# Altium PCB RMS_to_DC_1.PCBDOC
Units mm, origin at the board's own origin, x right, y up, seen from the top; angles counter-clockwise.
Board outline 35 x 20 mm, 4 copper layers (Top Layer, Layer 1, Layer 2, Bottom Layer), stack 1.6 mm thick; 29 components, 14 nets, 71 pads, 110 vias.
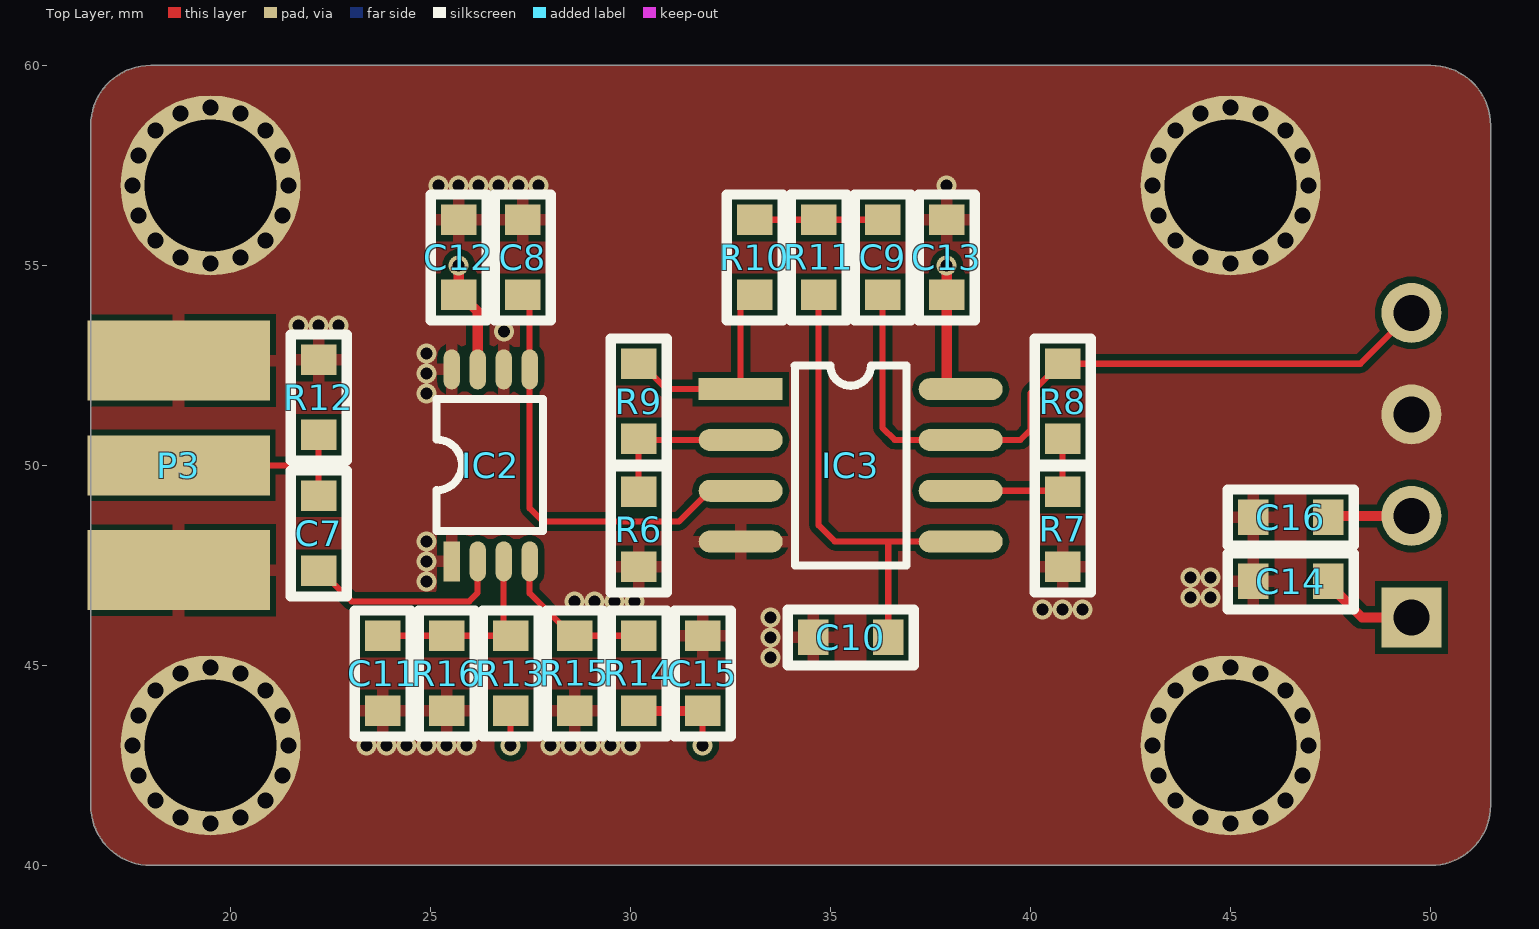
[diagram p0: Top Layer view]
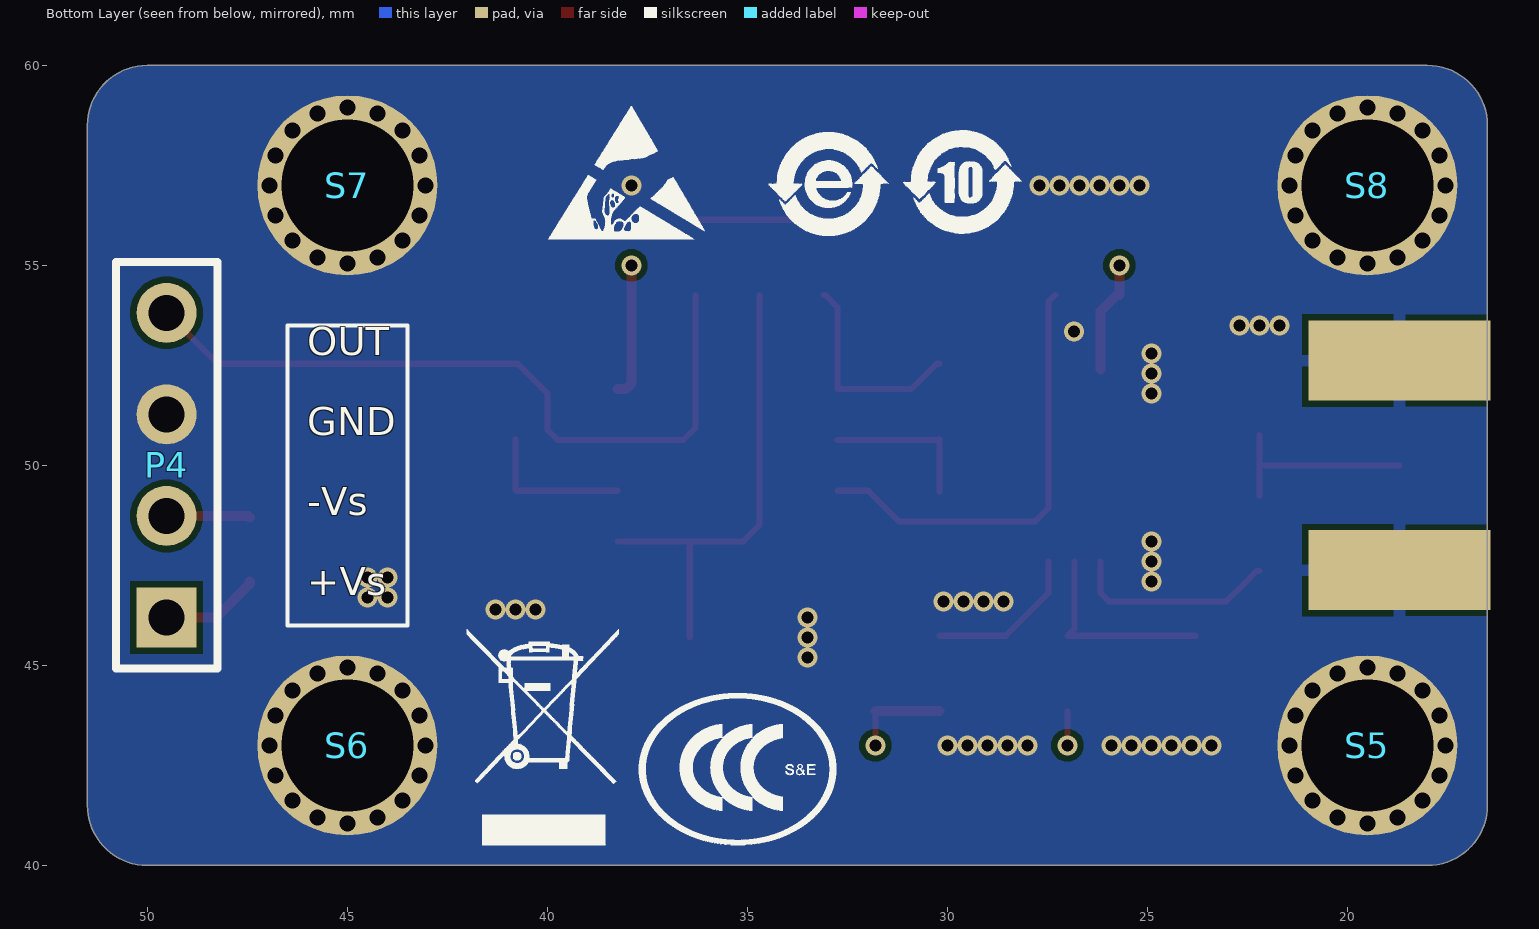
[diagram p1: Bottom Layer view, seen from below]
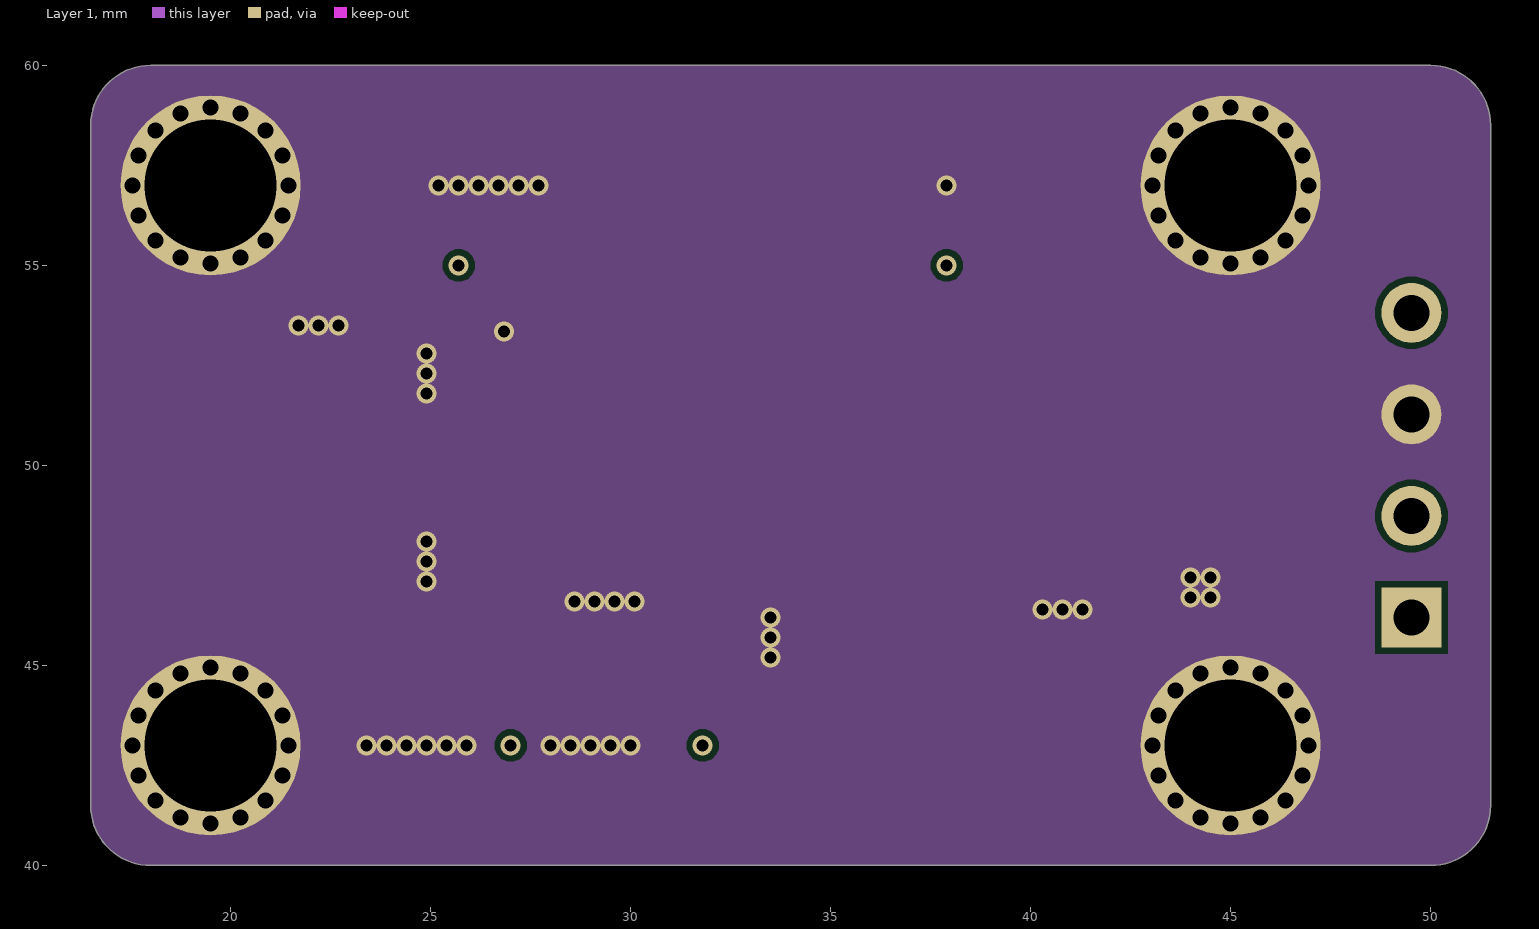
[diagram p2: Layer 1]
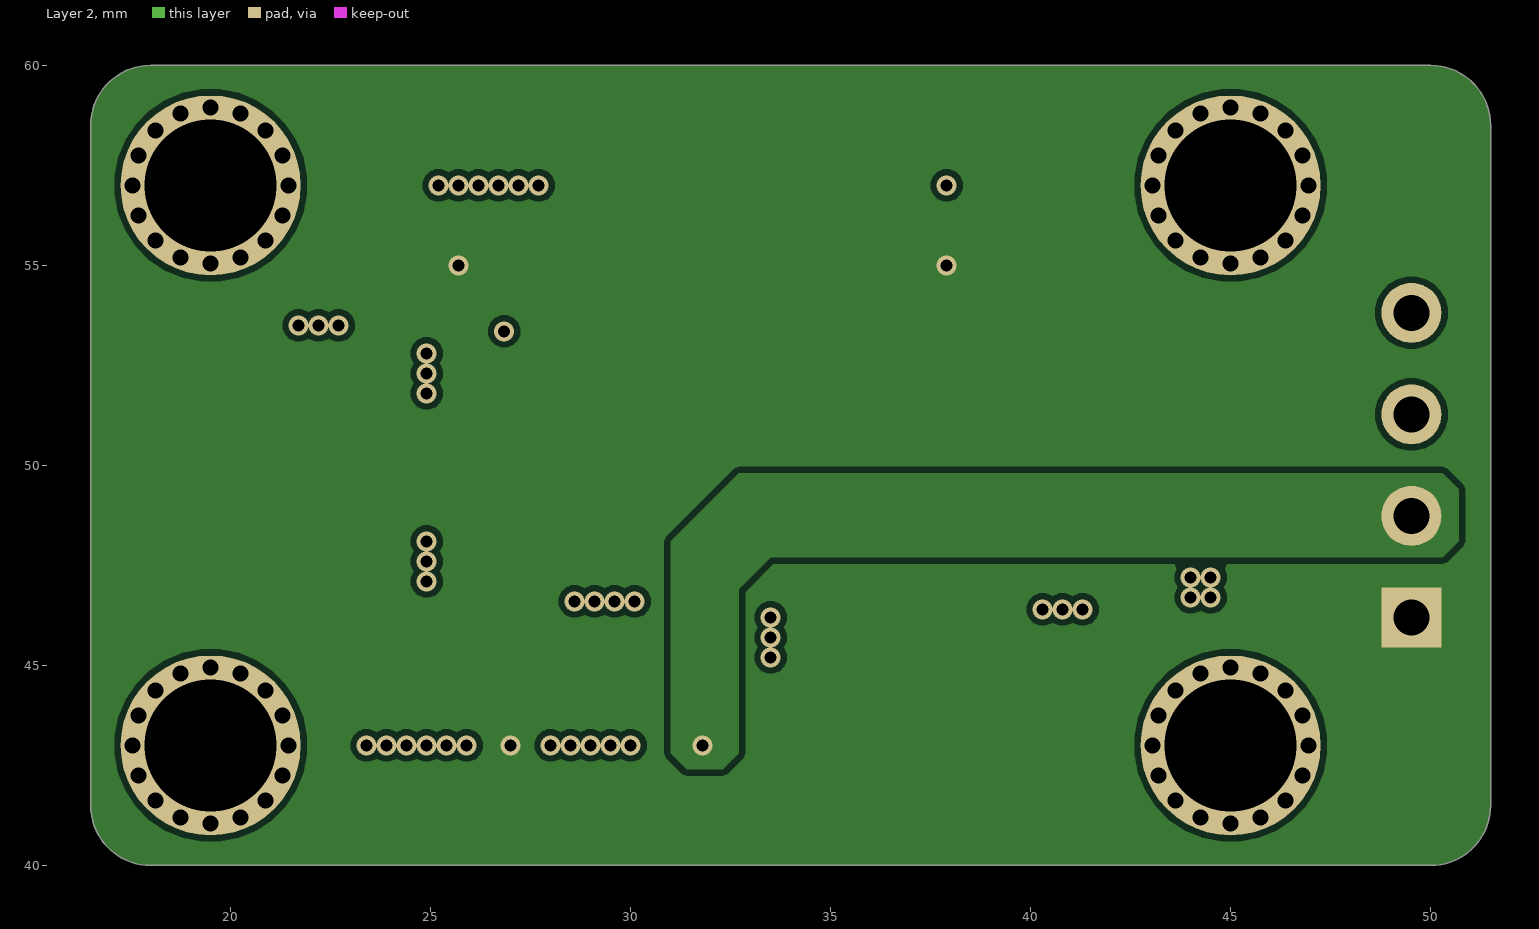
[diagram p3: Layer 2]
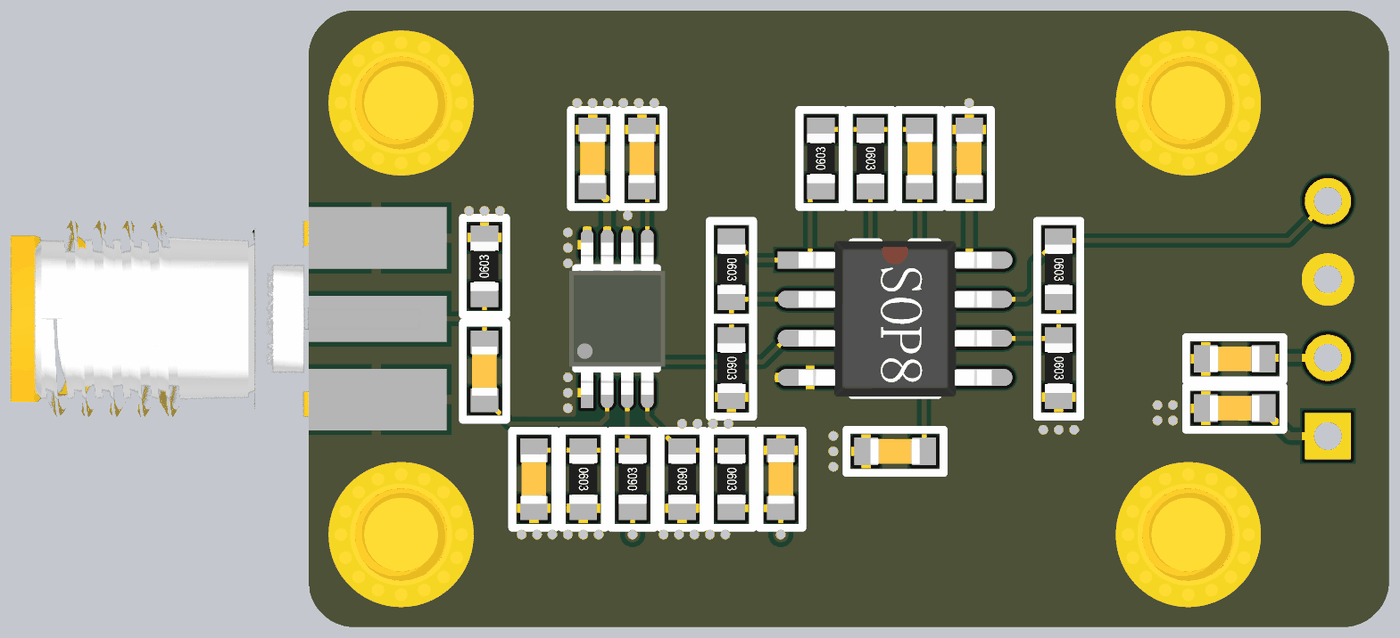
[diagram p4: 3D render of the assembled board from above, using the file's embedded part models]

## Layer stack, top to bottom
Top Solder: solder mask 0.01, Solder Resist, Dk 3.5
Top Layer: signal copper 0.035
Dielectric 1: prepreg 0.165, PP-017, Dk 4.3
Layer 1: signal copper 0.017
Dielectric2: dielectric 1.166, FR-4, Dk 4.8
Layer 2: signal copper 0.017
Dielectric 3: prepreg 0.165, PP-017, Dk 4.3
Bottom Layer: signal copper 0.035
Bottom Solder: solder mask 0.01, Solder Resist, Dk 3.5

## Board outline
16.5,41.5 16.5,58.5 cw(c18,58.5) 18,60 50,60 cw(c50,58.5) 51.5,58.5 51.5,41.5 cw(c50,41.5) 50,40 18,40 cw(c18,41.5)

## Design rules (kind name [scope] priority, off if disabled: settings)
Clearance [All] p1: gap=0.152 ignorepadtopadclearanceinfootprint=TRUE
FabricationTestPointUsage TestPointUsage [All] p1: valid=0 allowmultiple=FALSE
FabricationTestpoint Testpoint [All] p1: side=3 testpointundercomponent=TRUE minsize=1.016 maxsize=2.54 preferedsize=1.524 minholesize=0 maxholesize=1.016 preferedholesize=0.813 testpointgrid=0.025 allowsidetop=TRUE allowsidebottom=TRUE usegrid=TRUE gridtolerance=0
HoleSize [All] p1: absolutevalues=TRUE maxlimit=10 minlimit=0.025 maxpercent=80.000 minpercent=20.000
PolygonConnect [All] p1: thpad.connectstyle=Direct thpad.reliefconductorwidth=0.254 thpad.reliefentries=4 thpad.polygonreliefangle="90 Angle" thpad.airgapwidth=0.254 smdpad.connectstyle=Relief smdpad.reliefconductorwidth=0.3 smdpad.reliefentries=4 smdpad.polygonreliefangle="90 Angle" smdpad.airgapwidth=0.152 via.connectstyle=Direct via.reliefconductorwidth=0.254 via.reliefentries=4 via.polygonreliefangle="90 Angle" via.airgapwidth=0.254
RoutingLayers [All] p1: top layer_v5=TRUE mid layer 1_v5=FALSE mid layer 2_v5=FALSE bottom layer_v5=TRUE
RoutingVias [All] p1: holewidth=0.3 width=0.5 viastyle="Through Hole" minholewidth=0.3 minwidth=0.5 maxholewidth=1 maxwidth=5
SilkToSolderMaskClearance SilkscreenOverComponentPads [IsPad] p1: minsilkscreentomaskgap=0.254 clearancetoexposedcopper=TRUE
SolderMaskExpansion [All] p1: expansion=0.102 istentingtop=FALSE
Width [All] p1: maxlimit=10 minlimit=0.152 preferedwidth=0.254
25 further rules are at their usual default settings.

## Components (designator, comment, footprint, x,y, rotation, side; value= is the part's Value field where it differs from the comment)
C7 "叠层陶瓷电容" C0603 22.2,48.3 r0 top
C8 "叠层陶瓷电容" C0603 27.3,55.2 r0 top
C9 "叠层陶瓷电容" C0603 36.3,55.2 r180 top
C10 "叠层陶瓷电容" C0603 35.5,45.7 r90 top
C11 "叠层陶瓷电容" C0603 23.8,44.8 r180 top
C12 "叠层陶瓷电容" C0603 25.7,55.2 r0 top
C13 "叠层陶瓷电容" C0603 37.9,55.2 r0 top
C14 "叠层陶瓷电容" C0603 46.5,47.1 r90 top
C15 "叠层陶瓷电容" C0603 31.8,44.8 r0 top
C16 "叠层陶瓷电容" C0603 46.5,48.7 r90 top
IC2 "LTC1968" MSOP-8 26.5,50 r90 top
IC3 "LM358" SOP-8(体宽3.8mm) 35.5,50 r0 top
P3 "SMA" SMA-夹板 13.5,50 r90 top
P4 "Header 4" HDR1X4 49.52,46.195 r90 bottom
R6 "贴片电阻" R0603 30.2,48.4 r180 top
R7 "贴片电阻" R0603 40.8,48.4 r180 top
R8 "贴片电阻" R0603 40.8,51.6 r180 top
R9 "贴片电阻" R0603 30.2,51.6 r180 top
R10 "贴片电阻" R0603 33.1,55.2 r0 top
R11 "贴片电阻" R0603 34.7,55.2 r180 top
R12 "贴片电阻" R0603 22.2,51.7 r0 top
R13 "贴片电阻" R0603 27,44.8 r0 top
R14 "贴片电阻" R0603 30.2,44.8 r180 top
R15 "贴片电阻" R0603 28.6,44.8 r180 top
R16 "贴片电阻" R0603 25.4,44.8 r180 top
S5 "M3铜柱" M3 19.5,43 r180 bottom
S6 "M3铜柱" M3 45,43 r180 bottom
S7 "M3铜柱" M3 45,57 r180 bottom
S8 "M3铜柱" M3 19.5,57 r180 bottom

## Footprints (in the part's own frame and the unit in brackets; to place one, negate y for a bottom-side part, rotate by r counter-clockwise, add the part's x,y. Pads: shape width x height; smd on the part's side, far side on the other; paste and mask are expansions set on the pad)
C0603 [mil]
  rect 35x30 smd: 1(0,37) 2(0,-37)
  silkscreen extent -28,-62 28,62, body extent -16,-37 16,37, height 32
HDR1X4 [mm] "Connector; Header; 4 Position"
  rect 1.5x1.5 hole 0.9: 1(0,0)
  round 1.5 hole 0.9: 2(2.54,0) 3(5.08,0) 4(7.62,0)
  silkscreen extent -1.27,-1.27 8.89,1.27
M3 [mm]
  round 4.5 hole 3.3: 1(0,0)
  body extent -2.7,-2.35 2.7,2.35, height 7.05
MSOP-8 [mm]
  rect 1x0.41 smd: 1(-2.4,0.975)
  oval 1x0.41 smd: 2(-2.4,0.325) 3(-2.4,-0.325) 4(-2.4,-0.975) 5(2.4,-0.975) 6(2.4,-0.325) 7(2.4,0.325) 8(2.4,0.975)
  silkscreen extent -1.64,-1.31 1.66,1.36, body extent -2.47,-1.55 2.47,1.55, height 1.1
R0603 [mil]
  rect 35x30 smd: 1(0,37) 2(0,-37)
  silkscreen extent -28,-62 28,62, body extent -18,-31 18,32, height 20
SMA-夹板 [mm]
  rect 1.5x4.56 smd paste+0 mask+0: 1(0.001,-5.197)
  rect 2x4.56 smd paste+0 mask+0: 2(-2.619,-5.197) 3(2.621,-5.197)
  rect 2x4.56 smd far side paste+0 mask+0: 4(-2.619,-5.197) 5(2.621,-5.197)
  body extent -3.19,-6.65 3.19,6.65, height 3.85
SOP-8(体宽3.8mm) [mm]
  rect 2.1x0.55 smd: 1(-2.75,1.905)
  oval 2.1x0.55 smd: 2(-2.75,0.635) 3(-2.75,-0.635) 4(-2.75,-1.905) 5(2.75,-1.905) 6(2.75,-0.635) 7(2.75,0.635) 8(2.75,1.905)
  silkscreen extent -1.4,-2.5 1.4,2.5, body extent -3.13,-2.53 3.13,2.53, height 1.76

## Part data
C7 C8 C9 C10 C11 C12 C13 C14 C15 C16: library part 104, "无极性电容", voltage=100V, capacity=104, type=0805
IC2: "RMS"
IC3: "运放", Package=SOP-8, type=LM358
P3: "射频座"
P4: "Header, 4-Pin", LatestRevisionDate=17-Jul-2002, LatestRevisionNote="Re-released for DXP Platform.", Publisher="Altium Limited"
R6 R7 R8 R9 R10 R11 R12 R13 R14 R15 R16: library part 10kΩ, "贴片/直插电阻", Package=0805, resistance=10kΩ

## Via types
v1: diameter 0.5, hole 0.4, Top Layer to Bottom Layer, tented both sides, 64 vias
v2: diameter 0.5, hole 0.3, Top Layer to Bottom Layer, tented both sides, 46 vias

## Nets (pads, with @x,y where several pads share a name; then routed paths per layer and width w, separated by ;. In a path a pad name is that pad's centre, name@x,y a point inside that pad or via, vN(x,y) a via of type N, cw(c..) or ccw(c..) an arc to the next point about the centre after c; other vN are vias at no path point)
+5V: C12.2 C13.2 C14.2 IC2.7 IC3.8 P4.1 R13.2 | length 9.6
  Top Layer w0.152: v2(27,43) R13.2
  Top Layer w0.254: v2(25.7,55) C12.2 25.763,54.26 26.175,53.849 IC2.7 ; v2(37.9,55) 37.9,52.042 38.037,51.905 IC3.8 ; C14.2 47.44,47.036 48.282,46.195 P4.1
-5V: C15.2 C16.2 P4.2 R14.1 | length 4.6
  Top Layer w0.152: v2(31.8,43) C15.2
  Top Layer w0.254: R14.1 C15.2 ; C16.2 47.474,48.735 P4.2
GND: C8.1 C10.1 C11.1 C12.1 C13.1 C14.1 C15.1 C16.1 IC2.1 IC2.6 IC2.8 IC3.4 P3.2 P3.3 P3.4 P3.5 P4.3 R6.1 R7.1 R12.1 R15.1 R16.1 S5.1 S6.1 S7.1 S8.1
  other v1: 19.5,41.05 45,41.05 18.75,41.2 20.25,41.2 44.25,41.2 45.75,41.2 18.125,41.625 20.875,41.625 43.625,41.625 46.375,41.625 17.7,42.25 21.3,42.25 43.2,42.25 46.8,42.25 17.55,43 21.45,43 43.05,43 46.95,43 17.7,43.75 21.3,43.75 43.2,43.75 46.8,43.75 18.125,44.375 20.875,44.375 43.625,44.375 46.375,44.375 18.75,44.8 20.25,44.8 44.25,44.8 45.75,44.8 19.5,44.95 45,44.95 19.5,55.05 45,55.05 18.75,55.2 20.25,55.2 44.25,55.2 45.75,55.2 18.125,55.625 20.875,55.625 43.625,55.625 46.375,55.625 17.7,56.25 21.3,56.25 43.2,56.25 46.8,56.25 17.55,57 21.45,57 43.05,57 46.95,57 17.7,57.75 21.3,57.75 43.2,57.75 46.8,57.75 18.125,58.375 20.875,58.375 43.625,58.375 46.375,58.375 18.75,58.8 20.25,58.8 44.25,58.8 45.75,58.8 19.5,58.95 45,58.95
  other v2: 23.4,43 23.9,43 24.4,43 24.9,43 25.4,43 25.9,43 28,43 28.5,43 29,43 29.5,43 30,43 33.5,45.2 33.5,45.7 33.5,46.2 40.3,46.4 40.8,46.4 41.3,46.4 28.6,46.6 29.1,46.6 29.6,46.6 30.1,46.6 44,46.7 44.5,46.7 24.9,47.1 44,47.2 44.5,47.2 24.9,47.6 24.9,48.1 24.9,51.8 24.9,52.3 24.9,52.8 26.838,53.352 21.7,53.5 22.2,53.5 22.7,53.5 25.2,57 25.7,57 26.2,57 26.7,57 27.2,57 27.7,57 37.9,57
NetC7_2: C7.2 IC2.2 | length 5.2
  Top Layer w0.152: C7.2 22.263,47.36 22.568,47.055 23.024,46.6 25.965,46.6 26.175,46.81 IC2.2
NetC8_2: C8.2 IC2.5 IC3.3 | length 11.1
  Top Layer w0.152: C8.2 27.475,54.085 IC2.5 27.475,48.925 27.8,48.6 31.21,48.6 31.975,49.365 IC3.3
NetC9_2: C9.2 R10.1 R11.2 | length 3.2
  Top Layer w0.152: R10.1 C9.2
NetC10_2: C10.2 IC3.5 R11.1 | length 11.8
  Top Layer w0.152: R11.1 34.7,48.5 35.1,48.1 36.5,48.1 38.245,48.1 IC3.5 ; C10.2 36.44,48.04
NetC11_2: C11.2 IC2.3 R13.1 R16.2 | length 5.1
  Top Layer w0.152: C11.2 R16.2 R13.1 26.825,45.915 IC2.3
NetIC2_4: IC2.4 R14.2 R15.2 | length 4
  Top Layer w0.152: IC2.4 27.475,46.801 28.537,45.74 R15.2 R14.2
NetIC3_1: IC3.1 R9.2 R10.2 | length 5.3
  Top Layer w0.152: R9.2 30.264,52.54 30.898,51.905 IC3.1 32.75,53.955 33.055,54.26 R10.2
NetIC3_2: IC3.2 R6.2 R9.1 | length 3.9
  Top Layer w0.152: R6.2 R9.1 30.225,50.635 IC3.2
NetIC3_6: IC3.6 R7.2 R8.1 | length 3.8
  Top Layer w0.152: IC3.6 40.775,49.365 40.8,49.39 R8.1
OUT: C9.1 IC3.7 P4.4 R8.2 | length 18.5
  Top Layer w0.152: C9.1 36.3,50.932 36.597,50.635 39.745,50.635 40,50.89 40,51.803 40.216,52.019 40.736,52.54 R8.2 48.245,52.54 P4.4
Vin: C7.1 P3.1 R12.2 | length 5
  Top Layer w0.152: P3.1 22.2,50.001 ; C7.1 22.2,50.001 ; R12.2 22.2,50.001

## Polygon pours and split planes (outlines as drawn)
+5V on Layer 2 "NONET_L-01_P-001" (solid, remove dead copper, pour order 4): 16.5,58.5 cw(c18,58.5) 18,60 50,60 cw(c50,58.5) 51.5,58.5 51.5,41.5 cw(c50,41.5) 50,40 18,40 cw(c18,41.5) 16.5,41.5
-5V on Layer 2 "NONET_L-01_P-001" (solid, remove dead copper, pour order 3): 50.3,49.8 50.7,49.4 50.7,48.1 50.3,47.7 33.5,47.7 32.7,46.9 32.7,42.8 32.3,42.4 31.4,42.4 31,42.8 31,48.1 32.7,49.8
GND on Layer 1 "NONET_L-01_P-001" (solid, remove dead copper, pour order 1): 16.5,58.5 cw(c18,58.5) 18,60 50,60 cw(c50,58.5) 51.5,58.5 51.5,41.5 cw(c50,41.5) 50,40 18,40 cw(c18,41.5) 16.5,41.5
GND on Bottom Layer "NONET_L-01_P-001" (solid, remove dead copper, pour order 5): 16.5,58.5 cw(c18,58.5) 18,60 50,60 cw(c50,58.5) 51.5,58.5 51.5,41.5 cw(c50,41.5) 50,40 18,40 cw(c18,41.5) 16.5,41.5
GND on Top Layer "NONET_L-01_P-001" (solid, remove dead copper, pour order 0): 16.5,58.5 cw(c18,58.5) 18,60 50,60 cw(c50,58.5) 51.5,58.5 51.5,41.5 cw(c50,41.5) 50,40 18,40 cw(c18,41.5) 16.5,41.5

## Silkscreen, mask and mechanical layers (free items; w line width, h text height)
Bottom Overlay:
  drawing of 22 lines, arcs and shapes, not listed
  text "OUT" at 46,52.513 h1.2
  text "GND" at 46,50.513 h1.2
  text "-Vs" at 46,48.512 h1.2
  text "+Vs" at 46,46.512 h1.2
Bottom Solder:
  drawing of 19 lines, arcs and shapes, not listed
Mechanical 1:
  the board outline again, w0.1
Mechanical 15:
  lines w0.1: 16.5,50 51.5,50
  lines w0.254: 25.2,55.2 26.2,55.2 ; 25.7,54.8 25.7,55.6 ; 26.8,55.2 27.8,55.2 ; 27.3,54.8 27.3,55.6
Mechanical 16:
  drawing of 503 lines, arcs and shapes, not listed
  text "1" at 36.246,189.611 h1.78
  text "2" at 108.89,189.611 h1.78
  text "3" at 182.042,189.611 h1.78
  text "4" at 254.94,189.611 h1.78
  text "A" at 1.905,166.599 h1.78
  text "A" at 288.925,166.599 h1.78
  text "Layer" at 168.369,140.92 h1.52
  text "Name" at 178.78,140.92 h1.52
  text "Material" at 202.396,140.92 h1.52
  text "Thickness" at 224.234,140.92 h1.52
  text "Constant" at 240.74,140.92 h1.52
  text "Board Layer Stack" at 255.214,140.92 h1.52
  text "Top Overlay" at 178.78,137.872 h1.52
  text "Top Solder" at 178.78,134.824 h1.52
  text "Solder Resist" at 202.396,134.824 h1.52
  text "0.39mil" at 224.234,134.824 h1.52
  text "3.5" at 240.74,134.824 h1.52
  text "1" at 168.369,131.776 h1.52
  text "Top Layer" at 178.78,131.776 h1.52
  text "Copper" at 202.396,131.776 h1.52
  text "1.38mil" at 224.234,131.776 h1.52
  text "Dielectric 1" at 178.78,128.728 h1.52
  text "PP-017" at 202.396,128.728 h1.52
  text "6.50mil" at 224.234,128.728 h1.52
  text "4.3" at 240.74,128.728 h1.52
  text "2" at 168.369,125.68 h1.52
  text "Layer 1" at 178.78,125.68 h1.52
  text "Copper" at 202.396,125.68 h1.52
  text "0.67mil" at 224.234,125.68 h1.52
  text "Dielectric2" at 178.78,122.632 h1.52
  text "FR-4" at 202.396,122.632 h1.52
  text "45.91mil" at 224.234,122.632 h1.52
  text "4.8" at 240.74,122.632 h1.52
  text "3" at 168.369,119.584 h1.52
  text "Layer 2" at 178.78,119.584 h1.52
  text "Copper" at 202.396,119.584 h1.52
  text "0.67mil" at 224.234,119.584 h1.52
  text "B" at 1.905,118.542 h1.78
  text "B" at 288.925,118.542 h1.78
  text "Dielectric 3" at 178.78,116.536 h1.52
  text "PP-017" at 202.396,116.536 h1.52
  text "6.50mil" at 224.234,116.536 h1.52
  text "4.3" at 240.74,116.536 h1.52
  text "4" at 168.369,113.488 h1.52
  text "Bottom Layer" at 178.78,113.488 h1.52
  text "Copper" at 202.396,113.488 h1.52
  text "1.38mil" at 224.234,113.488 h1.52
  text "Bottom Solder" at 178.78,110.44 h1.52
  text "Solder Resist" at 202.396,110.44 h1.52
  text "0.39mil" at 224.234,110.44 h1.52
  text "3.5" at 240.74,110.44 h1.52
  text "Bottom Overlay" at 178.78,107.392 h1.52
  text "C" at 1.905,70.028 h1.78
  text "C" at 288.925,70.028 h1.78
  text "ENGINEER:" at 173.99,33.02 h1.14
  text "TITLE:" at 212.09,33.02 h1.14
  text "阳光电路" at 175,29.1 h4
  text "PCB DESIGNER:" at 173.99,25.527 h1.14
  text "RMS_to_DC_1" at 216.2,24.5 h8
  text "D" at 1.905,22.022 h1.78
  text "D" at 288.925,22.022 h1.78
  text "阳光电路" at 175,21.3 h4
  text "DATE:" at 173.99,17.78 h1.14
  text "PART NO.:" at 212.09,17.78 h1.14
  text "REV:" at 265.43,17.78 h1.14
  text "阳光电路" at 141,16.2 h4
  text ".PRINT_DATE" at 175.26,14.732 h1.78
  text "Rev 1.1.0" at 267.1,14.5 h1.78
  text "中国广西" at 141,12.2 h4
  text "FILE NAME:" at 173.99,10.16 h1.14
  text "DWG NO:" at 212.09,10.16 h1.14
  text "SCALE:" at 265.43,10.16 h1.14
  text "桂林雁山" at 141,8.2 h4
  text ".PCB_FILE_NAME_NO_PATH" at 175.26,7.112 h1.78
  text "1" at 36.246,1.651 h1.78
  text "2" at 108.89,1.651 h1.78
  text "3" at 182.042,1.651 h1.78
  text "4" at 254.94,1.651 h1.78
Drill Drawing:
  circle w0.254: c7.465,182.27 r0.847
  lines w0.254: 6.619,171.686 8.312,171.686 7.465,169.993 6.619,171.686 ; 6.619,174.226 7.042,174.226 7.465,173.803 7.889,174.226 8.312,174.226 7.889,174.65 8.312,175.073 7.889,175.073 7.465,175.496 7.042,175.073 6.619,175.073 7.042,174.65 6.619,174.226 ; 6.619,177.613 8.312,177.613 8.312,179.306 6.619,179.306 6.619,177.613
  lines w0.381: 5.1,168.85 276.144,168.85 ; 5.1,184.09 276.144,184.09 ; 19.092,165.04 19.092,187.9 ; 33.82,165.04 33.82,187.9 ; 63.022,165.04 63.022,187.9 ; 75.871,165.04 75.871,187.9 ; 94.51,165.04 94.51,187.9 ; 132.598,165.04 132.598,187.9 ; 147.58,165.04 147.58,187.9 ; 166.524,165.04 166.524,187.9 ; 185.568,165.04 185.568,187.9 ; 207.254,165.04 207.254,187.9 ; 241.128,165.04 241.128,187.9 ; 5.1,165.04 276.144,165.04 276.144,187.9 5.1,187.9 5.1,165.04
  text "Symbol" at 7.386,185.233 h1.83
  text "Count" at 20.235,185.233 h1.83
  text "Hole Size" at 34.963,185.233 h1.83
  text "Plated" at 64.165,185.233 h1.83
  text "Hole Type" at 77.014,185.233 h1.83
  text "Drill Layer Pair" at 95.653,185.233 h1.83
  text "Via/Pad" at 133.741,185.233 h1.83
  text "Pad Shape" at 148.723,185.233 h1.83
  text "Template" at 167.667,185.233 h1.83
  text "Description" at 186.711,185.233 h1.83
  text "Hole Tolerance (+)" at 208.397,185.233 h1.83
  text "Hole Tolerance (-)" at 242.271,185.233 h1.83
  text "4" at 20.235,181.423 h1.52
  text "0.900mm (35.43mil)" at 34.963,181.423 h1.52
  text "PTH" at 64.165,181.423 h1.52
  text "Round" at 77.014,181.423 h1.52
  text "Top Layer - Bottom Layer" at 95.653,181.423 h1.52
  text "Pad" at 133.741,181.423 h1.52
  text "(Mixed)" at 148.723,181.423 h1.52
  text "(Mixed)" at 167.667,181.423 h1.52
  text "4" at 20.235,177.613 h1.52
  text "3.300mm (129.92mil)" at 34.963,177.613 h1.52
  text "PTH" at 64.165,177.613 h1.52
  text "Round" at 77.014,177.613 h1.52
  text "Top Layer - Bottom Layer" at 95.653,177.613 h1.52
  text "Pad" at 133.741,177.613 h1.52
  text "Rounded" at 148.723,177.613 h1.52
  text "c450h330" at 167.667,177.613 h1.52
  text "46" at 20.235,173.803 h1.52
  text "0.300mm (11.81mil)" at 34.963,173.803 h1.52
  text "PTH" at 64.165,173.803 h1.52
  text "Round" at 77.014,173.803 h1.52
  text "Top Layer - Bottom Layer" at 95.653,173.803 h1.52
  text "Via" at 133.741,173.803 h1.52
  text "Rounded" at 148.723,173.803 h1.52
  text "v50h30m0mx0" at 167.667,173.803 h1.52
  text "64" at 20.235,169.993 h1.52
  text "0.400mm (15.75mil)" at 34.963,169.993 h1.52
  text "PTH" at 64.165,169.993 h1.52
  text "Round" at 77.014,169.993 h1.52
  text "Top Layer - Bottom Layer" at 95.653,169.993 h1.52
  text "Via" at 133.741,169.993 h1.52
  text "Rounded" at 148.723,169.993 h1.52
  text "v50h40m0mx0" at 167.667,169.993 h1.52
  text "118 Total" at 20.235,166.183 h1.52